# KiCad board 2000ATX.kicad_pcb (continued)
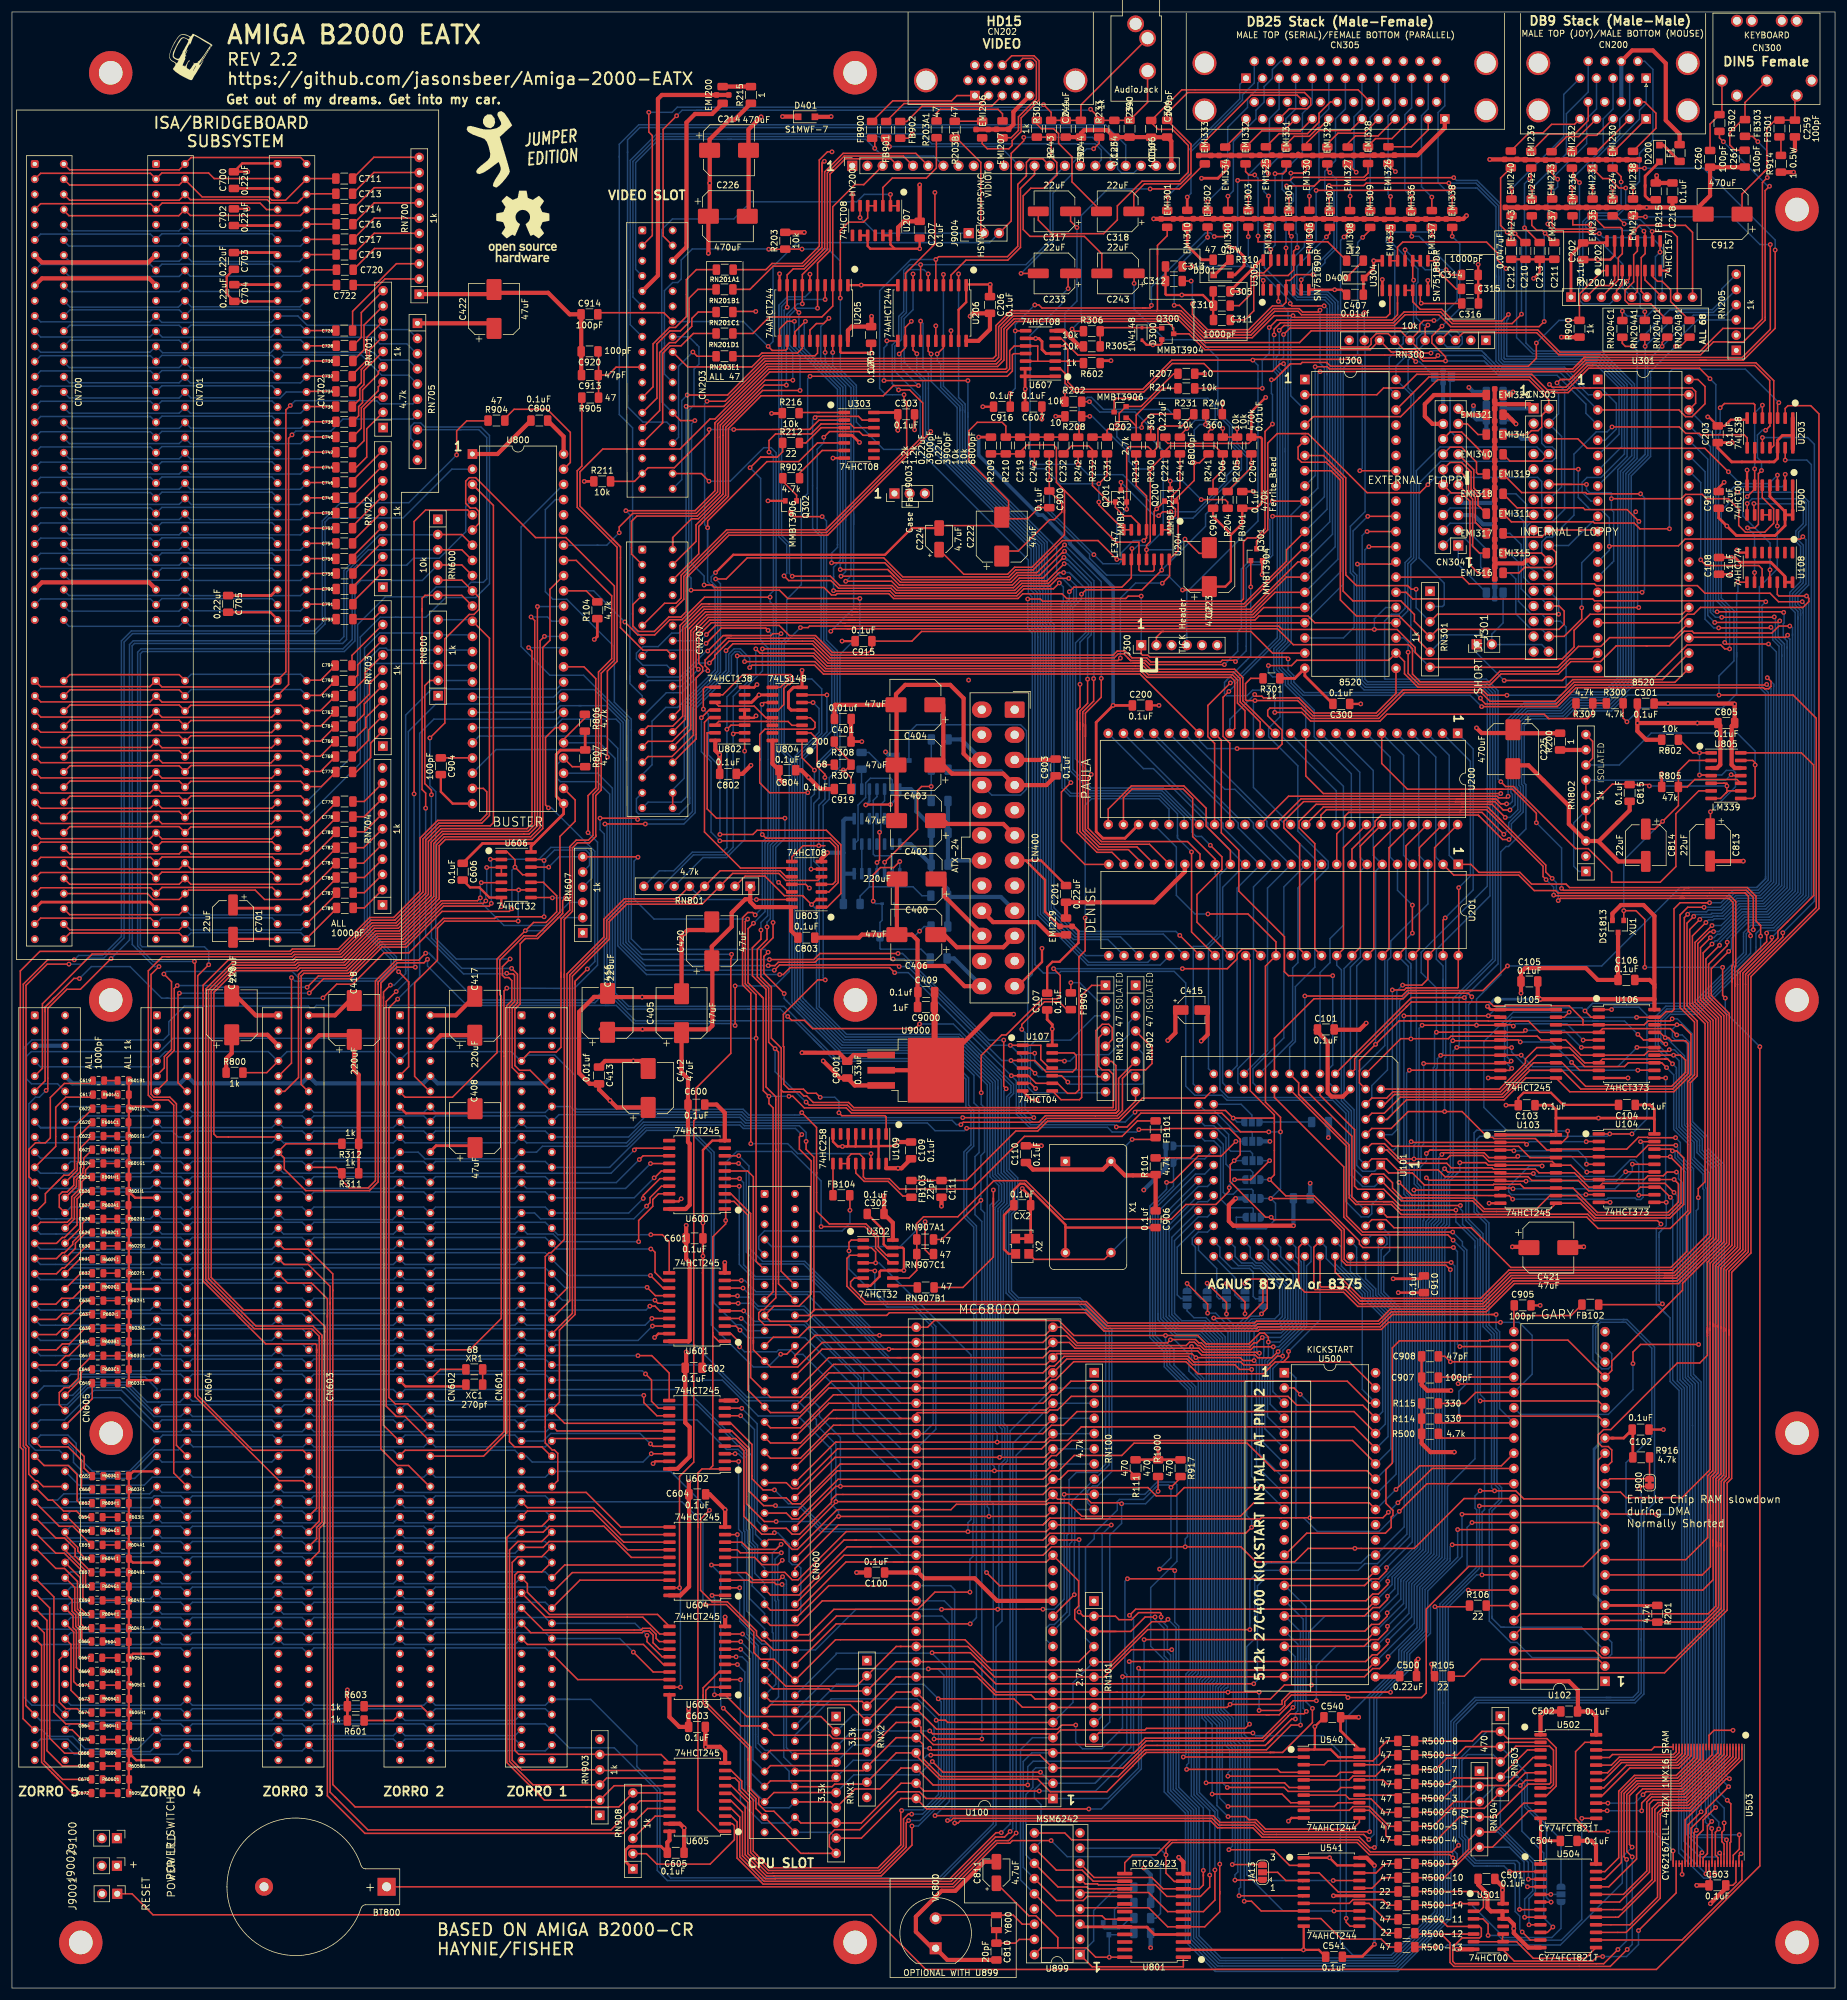
[diagram p0: board, top side]
## Routing (per net, layer and track width the routed paths; a pad name or vN(x,y) marks a point on that pad's centre or on a via; arc(x,y) is an arc through that point) (continued)
Net-(FB103-Pad2): length 11.7
  Top w0.25: 141.08,136.99 141.08,136.19 142.47,134.79 146.49,134.79 148.94,132.34 150.39,132.34
Net-(FB104-Pad1): length 4.5
  Top w0.25: FB104.1 137.27,132.48 137.27,136.99
Net-(FB301-Pad2): length 3.2
  Top w0.25: FB301.2 295.76,309.07 R914.2
Net-(FB303-Pad2): length 118.8
  Top w0.25: v1(293.47,302.53) 292.66,301.72 292.66,278.89 291.09,277.32 286.06,277.32 282.11,273.37 258.79,273.37 255.1,277.06 240.54,277.06 RN300.4 ; 289.7,309.36 FB303.2 291.01,309.41 v1(291.89,308.53)
  Bottom w0.25: v1(291.89,308.53) 293.47,306.95 v1(293.47,302.53) ; RN300.4 239.94,274.21 241.89,274.21 242.48,274.8 242.48,275.88 241.44,276.91 233.64,276.91 232.61,275.88 232.61,274.8 230.27,272.46 230.27,267.37 U300.39
Net-(FB907-Pad2): length 8.7
  Top w0.25: FB907.2 v1(177.04,168)
  Bottom w0.25: RN102.2 181.51,165 178.51,168 v1(177.04,168)
Net-(J102-Pad2): length 14.3
  Top w0.25: U101.41 197.04,138.72 R101.2 193.33,138.72
  Bottom w0.25: U101.41 197.71,140.72 J102.2
Net-(J301-Pad1): length 98.2
  Top w0.25: v1(285.6,264.06) 286.31,264.77 291.19,264.77 291.39,264.57 291.39,262.06 ; v1(287.17,223.77) 286.35,223.77 285.69,224.43 280.07,224.43 274.73,219.09 259.8,219.09 259.2,218.49 v1(249.48,218.49)
  Bottom w0.25: v1(249.48,218.49) 244.88,223.09 J301.1 ; v1(287.17,223.77) 287.17,230.25 285.32,232.1 285.32,259.62 285.6,259.89 v1(285.6,264.06)
Net-(J900-Pad2): length 11.4
  Top w0.25: R916.1 273.79,88.67 J900.2 267.17,85.11 U102.14
Net-(J9004-Pad1): length 21.2
  Top w0.25: U207.6 v1(141.8,295.85)
  Bottom w0.25: v1(141.8,295.85) 144.4,293.24 J9004.1
Net-(J9004-Pad2): length 18.1
  Top w0.25: R203B1.2 157.9,309.14 161.98,305.06 161.98,293.76 J9004.2
Net-(JA1-Pad2): length 8.3
  Bottom w0.25: U101.36 205.5,147.68 207.3,145.88 JA1.2
Net-(JA1-Pad3): length 8.7
  Bottom w0.25: JA1.3 217.28,144.72 R109.2
Net-(JA2-Pad2): length 12.5
  Top w0.25: U101.35 198.37,147.62
  Bottom w0.25: U101.35 199.41,146.64 200.94,146.64 204.45,143.13 207.17,143.13 207.37,142.94 JA2.2
Net-(JA3-Pad2): length 11.5
  Bottom w0.25: JA3.2 207.41,139.44 207.02,139.82 203.77,139.82 203.42,140.17 203.42,142.63 U101.38
Net-(JA4-Pad2): length 16.5
  Bottom w0.25: U101.37 199.41,144.1 200.94,144.1 202.97,142.08 202.97,137.68 203.94,136.71 207.05,136.71 207.46,136.3 JA4.2
Net-(JA5-Pad2): length 17.2
  Bottom w0.25: 207.49,131.92 207.49,133.27 207.26,133.49 205.03,133.49 204.19,132.65 202.82,132.65 202.52,132.95 202.52,140.99 U101.40
Net-(JA6-Pad2): length 20.7
  Bottom w0.25: JA6.2 207.53,130.23 207.38,130.38 203.53,130.38 202.07,131.84 202.07,140.44 200.94,141.56 199.41,141.56 U101.39
Net-(JA8-Pad2): length 15.5
  Bottom w0.25: U101.55 201.95,123.78 201.95,122.25 203.94,120.26 206.89,120.26 207.52,119.63 207.52,115.57 207.92,115.17 JA8.2
Net-(JA9-Pad2): length 10.2
  Bottom w0.25: JA9.2 205.13,115.17 204.47,115.82 204.47,118.72 U101.54 ; 206.17,115.17 206.37,115.37
Net-(JA10-Pad2): length 12.6
  Bottom w0.25: JA10.2 201.81,115.18 201.42,115.57 201.42,120.23 198.37,123.28 U101.53 ; 203.16,115.17 203.39,115.4
Net-(JA11-Pad2): length 16.8
  Bottom w0.25: U101.52 199.88,126.32 198.34,126.32 197.34,125.31 197.34,124.32 197.87,123.79 197.87,116.08 198.77,115.18 JA11.2 ; 199.89,115.18 200.28,115.58
Net-(JA12-Pad2): length 15.5
  Bottom w0.25: 196.69,115.18 197.11,115.6 ; JA12.2 195.42,115.22 194.82,115.82 194.82,123.8 U101.51
Net-(JA13-Pad2): length 7.9
  Top w0.25: 215.8,17.78 U541.4 ; U541.4 212.99,17.96 211.61,19.33 JA13.2 ; U541.4 215.86,18.07
Net-(Q200-Pad3): length 13.4
  Top w0.25: v1(198.83,248.72) 202.84,248.72 203.25,248.31 R204.2 ; Q200.3 v1(193.65,251.82)
  Bottom w0.25: v1(198.83,248.72) 195.73,251.82 v1(193.65,251.82)
Net-(Q201-Pad3): length 30.2
  Top w0.25: v1(193.75,246.68) 192.38,246.68 v1(191.72,246.02) ; Q201.3 v1(185.42,251.61) ; R205.2 v1(204.83,254.46)
  Bottom w0.25: 189.84,247.19 190.75,246.28 ; 189.84,247.19 v1(185.42,251.61) ; 189.84,247.19 191.01,246.02 v1(191.72,246.02) ; v1(193.75,246.68) 197.87,246.68 203.07,251.89 203.07,252.7 v1(204.83,254.46)
Net-(Q202-Pad1): length 14.4
  Top w0.25: R213.2 187.96,261.01 ; 187.96,261.01 187.96,262.84 192.43,267.31 R214.2 ; 187.96,261.01 186.62,262.35
Net-(Q301-Pad1): length 95.7
  Top w0.25: 207.11,238.43 v1(207.11,234.13) ; v1(211.12,213.16) 215.67,213.16 217.12,211.71 228.72,211.71 229.87,212.85 256.18,212.85 256.74,212.29 ; 256.74,212.29 256.9,212.13 263.43,212.13 264.29,212.98 R309.1 R300.1 ; 256.74,212.29 256.85,212.18
  Bottom w0.25: 210.4,216.83 210.57,216.66 ; 210.57,216.66 211.12,216.1 v1(211.12,213.16) ; 210.57,216.66 210.35,216.88 207.42,216.88 206.48,215.94 203.11,215.94 202.73,216.31 202.73,218.18 203.22,218.67 ; 203.22,218.67 202.98,218.43 ; 203.22,218.67 207.11,222.56 v1(207.11,234.13)
Net-(Q302-Pad1): length 5.3
  Top w0.25: Q302.1 131.18,249.46 128.87,251.77 R902.1 ; 129.25,251.97 128.87,252.35
Net-(Q302-Pad3): length 50.7
  Top w0.25: v1(135.46,245.87) 130.75,245.87 130.2,246.42 ; R307.2 v1(135.69,204.42)
  Bottom w0.25: v1(135.69,204.42) 135.69,205.11 137.97,207.39 137.97,223.49 136.18,225.28 136.18,245.15 v1(135.46,245.87)
Net-(Q9100-Pad1): length 6.9
  Bottom w0.25: Q9100.1 145.56,204.17 143.26,206.46 R9104.1
Net-(R105-Pad2): length 27.7
  Top w0.25: U102.2 265.22,54.92 245.63,54.92 242.8,52.1 R105.2 240.93,52.38
Net-(R106-Pad2): length 4.6
  Top w0.25: U102.43 251.05,63.91 R106.2
Net-(R202-Pad2): length 112.5
  Top w0.25: R230.2 v1(190.4,260.71) ; v1(176.78,233.32) 177.55,234.09 185.57,234.09 187.15,235.66 U204.9 187.25,238.83 v1(187.25,240.54) ; R202.2 v1(180.14,265.07)
  Bottom w0.25: U200.30 195.99,195.74 192.09,199.63 177.08,199.63 176.02,200.69 176.02,231.23 176.43,231.64 ; 176.64,231.85 176.78,231.99 ; 176.64,231.85 176.43,231.64 ; 176.64,231.85 176.64,231.86 ; 176.78,231.99 v1(176.78,233.32) ; 176.78,231.99 176.43,231.64 ; v1(180.14,265.07) 181.86,263.35 187.76,263.35 v1(190.4,260.71) 190.4,258.98 192.47,256.9 192.47,243.5 190.04,241.06 188.23,241.06 187.71,240.54 v1(187.25,240.54)
Net-(R203A1-Pad2): length 18.6
  Top w0.25: U207.3 145.61,300.86 147.19,302.45 152.88,302.45 154.55,304.12 154.55,309.16 R203A1.2 154.58,308.98
Net-(R212-Pad2): length 8.6
  Top w0.25: R212.2 132.74,258.19 135.28,260.73 U303.3
Net-(R216-Pad2): length 8
  Top w0.25: 134.98,263.27 U303.1 ; 134.98,263.27 134.57,263.27 ; 134.98,263.27 131.7,263.27 R216.2
Net-(R240-Pad2): length 109.5
  Top w0.25: U204.13 v1(192.23,236.93) 188.93,233.64 179.53,233.64 v1(178.82,232.92) ; R240.2 202.36,264.89
  Bottom w0.25: 178.58,231.88 178.82,232.12 v1(178.82,232.92) ; 178.58,231.88 177.37,230.67 177.37,203.61 180.45,200.53 192.46,200.53 198.53,194.47 U200.31 ; 178.58,231.88 178.71,232.02 ; v1(202.34,264.92) 202.34,262.79 204.01,261.11 204.01,258.24 206.49,255.76 206.49,253.2 199.56,246.26 199.56,244.26 v1(192.23,236.93)
Net-(R300-Pad2): length 44.6
  Top w0.25: U108.8 v1(288.56,234.91) ; R300.2 269.37,212.21 v1(270,211.58)
  Bottom w0.25: 288.35,222.4 288.35,223.11 ; 288.35,223.11 288.35,216.29 285.96,213.9 272.32,213.9 v1(270,211.58) ; 288.35,223.11 288.35,233.13 288.56,233.34 v1(288.56,234.91)
Net-(R309-Pad2): length 290.8
  Top w0.25: 287.06,109.13 287.06,85.34 286.21,84.49 286.21,73.14 ; 287.06,109.13 287.06,119.79 290.29,123.02 290.29,169.21 301.66,180.58 301.66,212.18 297.79,216.05 v1(285.39,216.05) ; 287.06,109.13 287.06,109.98 ; v1(296.47,252.93) 296.44,252.91 U900.2 ; 286.21,73.14 286.21,73.97 ; 286.21,73.14 286.21,63.25 284.59,61.63 284.59,61.61 278.2,55.21 265.8,55.21 264.68,56.34 U102.46 ; R309.2 261.37,214.56 v1(261.37,212.85)
  Bottom w0.25: v1(261.37,212.85) 261.92,213.41 267.45,213.41 270.09,216.05 v1(285.39,216.05) 285.39,219.25 287.9,221.76 287.9,230.16 285.77,232.29 285.77,246.86 286.98,248.07 286.98,249.95 287.91,250.88 295.96,250.88 296.47,251.38 v1(296.47,252.93)
Net-(R500-1-Pad2): length 7.1
  Top w0.25: R500-1.2 230.22,38.91 228.62,37.31 U540.18
Net-(R500-2-Pad2): length 6.8
  Top w0.25: U540.16 229.22,34.77 229.9,34.1 R500-2.2
Net-(R500-3-Pad2): length 6.7
  Top w0.25: U540.14 231.22,32.23 R500-3.2
Net-(R500-4-Pad2): length 9.4
  Top w0.25: U540.12 226.95,29.69 229.7,26.94 229.7,25.46 230.46,24.7 R500-4.2
Net-(R500-5-Pad2): length 17.4
  Top w0.25: R500-5.2 230.26,27.02 226.96,30.32 224.2,30.32 223.58,29.69 U540.9
Net-(R500-6-Pad2): length 17
  Top w0.25: U540.7 222.96,32.23 223.59,31.61 227.23,31.61 229.49,29.35 R500-6.2
Net-(R500-7-Pad2): length 16.5
  Top w0.25: R500-7.2 229.04,36.5 227.95,35.42 224.2,35.42 223.56,34.77 U540.5
Net-(R500-8-Pad2): length 17.9
  Top w0.25: U540.3 219.4,37.31 220.04,37.96 227.53,37.96 228.66,39.09 228.66,40.06 229.89,41.29 R500-8.2
Net-(R500-9-Pad2): length 7.1
  Top w0.25: R500-9.2 229.6,20.77 228.06,19.23 U541.18
Net-(R500-10-Pad2): length 7.2
  Top w0.25: R500-10.2 229.14,18.44 227.4,16.69 U541.16
Net-(R500-11-Pad2): length 7.8
  Top w0.25: U541.14 226.88,14.15 229.54,11.49 R500-11.2 ; 231.6,11.61 231.75,11.47
Net-(R500-12-Pad2): length 7.5
  Top w0.25: R500-12.2 229.8,9.16 227.36,11.61 U541.12
Net-(R500-13-Pad2): length 17.7
  Top w0.25: R500-13.2 230.27,6.84 228.93,8.18 222.28,8.18 218.85,11.61 U541.9
Net-(R500-14-Pad2): length 16.4
  Top w0.25: U541.7 223.58,14.15 224.2,14.77 229.17,14.77 230.11,13.83 R500-14.2
Net-(R500-15-Pad2): length 17.1
  Top w0.25: U541.3 218.57,19.23 221.73,16.06 231.68,16.06 R500-15.2
Net-(R902-Pad2): length 9.9
  Top w0.25: R902.2 131.67,253.13 135.46,256.92 U303.6
Net-(R904-Pad2): length 20.1
  Top w0.25: U800.47 93.35,254.92 93.35,259.95 89.5,263.8 83.95,263.8 82.4,262.26 R904.2
Net-(R905-Pad2): length 88.7
  Top w0.25: 95.4,265.63 R905.2 95.27,254.3 94.51,253.54 94.51,247.42 101.17,240.76 101.17,221.69 99.55,220.07 v1(99.55,205.69)
  Bottom w0.25: U800.22 80.94,206.95 98.29,206.95 v1(99.55,205.69)
Net-(R9104-Pad2): length 4
  Bottom w0.25: 142.04,200.34 142.04,203.66 R9104.2 142.55,204.17
Net-(RN100-Pad8): length 254.7
  Top w0.25: 144.05,259.41 U303.11 142.28,259.46 141.65,260.09 136.68,260.09 v1(135.73,259.13)
  Bottom w0.25: v1(135.73,259.13) 135.73,258.24 134.62,257.13 134.62,243.78 135.73,242.67 135.73,225.1 137.52,223.31 137.52,207.58 134.96,205.02 134.96,198.87 134.05,197.96 134.05,188.29 134.96,187.38 134.96,163.95 139.55,159.36 158.45,159.36 161.69,156.12 161.71,156.12 167.01,150.81 167.01,149.66 166.3,148.95 166.3,136.6 167.7,135.2 167.7,130.54 166.65,129.5 166.65,116.35 168.1,114.9 178.34,114.9 183.44,109.81 183.44,87.43 181.05,85.04 RN100.8 177.18,81.27 177.18,74.57 176.82,74.2 176.82,62.39 U100.12
Net-(RN102-Pad1): length 27.4
  Top w0.25: RN102.1 180.52,167.54 178.84,165.86 178.84,148.82 178.46,148.44 175.4,148.44 173.92,149.91
Net-(RN102-Pad3): length 24.7
  Top w0.25: U107.6 170.28,151.18 v1(171.15,150.32)
  Bottom w0.25: RN102.3 181.05,162.46 176.99,158.39 171.17,158.39 170.27,157.49 170.27,151.19 v1(171.15,150.32)
Net-(RN102-Pad5): length 30.4
  Top w0.25: U107.4 170.18,153.72 v1(171.04,152.86) ; RN102.5 183.95,158.5 183.95,160.46 183.37,161.04 182.29,161.04 181.25,160.01 181.25,152.74 181.7,152.3 RN102.7
  Bottom w0.25: RN102.7 171.6,152.3 v1(171.04,152.86)
Net-(RN203E1-Pad2): length 13.4
  Top w0.25: RN203E1.2 124.84,272.67 125.38,273.2 131.32,273.2 132.14,274.03 132.14,275.26
Net-(RN204A1-Pad1): length 10
  Top w0.25: RN204A1.1 v1(273,280.11) ; 270.31,286.81 U202.4 270.41,286.91 270.41,285.6 v1(270,285.19)
  Bottom w0.25: v1(270,285.19) 272.23,282.96 272.23,280.88 v1(273,280.11)
Net-(RN204B1-Pad1): length 11.3
  Top w0.25: U202.7 274.29,286.01 275.11,285.19 275.89,285.19 277.31,283.78 277.31,281.82 RN204B1.1
Net-(RN204C1-Pad1): length 19.5
  Top w0.25: RN204C1.1 v1(269.24,280.21) ; v1(275.54,290.07) 275.54,291.91 U202.9
  Bottom w0.25: v1(269.24,280.21) 270.07,279.39 273.35,279.39 274.77,280.81 274.77,289.3 v1(275.54,290.07)
Net-(RN204D1-Pad1): length 19.2
  Top w0.25: U202.12 271.75,290.25 271.13,289.62 271.13,285.1 269.69,283.66 269.69,282.01 270.27,281.42 274,281.42 RN204D1.1
Net-(RN802-Pad6): length 28.9
  Top w0.25: v1(287.43,202.74) 287.58,202.59 U805.11 ; RN802.6 RN802.7
  Bottom w0.25: v1(287.43,202.74) 286.51,201.83 RN802.7
Net-(RN802-Pad10): length 50.8
  Top w0.25: U805.13 291.03,205.13 291.44,204.72 291.44,199.19 291.03,198.78 U805.8 ; RN802.10 264.27,208.32 264.27,205.49 RN802.8
  Bottom w0.25: v1(291.44,204.37) 291.44,206.71 288.44,209.7 274.07,209.7 268.73,204.37 RN802.8
Net-(RN902-Pad3): length 18.3
  Top w0.25: 173.92,154.99 175.87,154.99 v1(175.97,154.89)
  Bottom w0.25: v1(175.97,154.89) 176.89,154.89 177.96,155.96 183.37,155.96 186.73,159.33 186.73,161.33 RN902.3
Net-(RN902-Pad5): length 22.5
  Top w0.25: v1(176.53,151.38) 175.46,152.45 173.92,152.45
  Bottom w0.25: v1(176.53,151.38) 176.89,151.03 188.93,151.03 189.13,151.23 189.13,156.11 RN902.5
Net-(RN902-Pad7): length 21.4
  Top w0.25: U107.2 169.03,156.21 v1(170.99,156.21)
  Bottom w0.25: RN902.7 186.73,153.42 172.26,153.42 170.99,154.69 v1(170.99,156.21)
Net-(RN907B1-Pad2): length 4.2
  Top w0.25: RN907B1.2 151.08,117.36 U302.8
Net-(RN908-Pad2): length 23.4
  Top w0.25: U605.2 120.44,27.46 120.78,27.11 120.78,24.77 116.71,20.7 107.82,20.7 106.07,22.45 RN908.2
Net-(RN908-Pad3): length 7.7
  Top w0.25: RN908.3 107.54,28.73 U605.18
Net-(U102-Pad15): length 203.2
  Top w0.25: 283.46,110.46 283.46,108.97 ; 283.46,108.97 283.46,109.32 ; 283.46,108.97 283.46,105.73 282.18,104.44 278.43,104.44 267.3,93.31 266.09,93.31 265.22,92.44 265.22,91.09 265.83,90.48 266.9,90.48 267.47,89.91 267.47,87.94 U102.15 ; 283.46,109.32 283.46,121.28 286.66,124.48 286.66,162.67 283.66,165.68 283.66,171.08 286.77,174.19 v1(286.77,174.75) ; 283.46,109.32 283.46,110.08 ; U900.8 290.12,246.19 v1(290.12,248.06)
  Bottom w0.25: v1(286.77,174.75) 286.77,175.32 289.95,178.5 291.53,178.5 ; 290.37,178.5 291.53,178.5 ; 291.53,178.5 293.98,178.5 298.59,183.11 298.59,228.74 ; 298.59,229.02 298.59,229.21 ; 298.59,229.02 298.59,228.74 ; 298.59,229.02 298.59,228.96 ; v1(290.12,248.06) 290.93,248.87 299.26,248.87 299.94,248.19 299.94,244.51 298.69,243.27 298.69,241.89 299.49,241.1 299.49,234.82 297.69,233.02 297.69,230.93 298.59,230.03 298.59,228.74
Net-(U102-Pad44): length 240
  Top w0.25: 285.71,110.27 285.71,120.35 288.94,123.58 288.94,168.56 288.94,169.77 294.23,175.06 v1(294.23,175.57) ; 285.71,110.27 285.71,110.54 ; 285.71,110.27 285.71,85.9 284.86,85.05 284.86,73.59 ; 284.86,73.59 284.86,63.81 283.59,62.54 252.23,62.54 U102.44 ; 284.86,73.59 284.86,74.7 ; 296.47,257.11 v1(296.47,255.32)
  Bottom w0.25: v1(294.23,175.57) 300.84,182.18 300.84,254.57 300.08,255.32 v1(296.47,255.32)
Net-(U102-Pad45): length 249.4
  Top w0.25: 285.76,73.88 285.76,84.68 286.61,85.53 286.61,109.83 ; 285.76,73.88 285.76,63.44 282.33,60 252.23,60 U102.45 ; 285.76,73.88 285.76,74.29 ; v1(296.06,176.33) 296.06,175.62 289.84,169.4 289.84,167.71 289.84,123.21 286.61,119.98 286.61,109.83 ; 286.61,109.83 286.61,110.17 ; v1(292.66,259.08) 292.66,257.11
  Bottom w0.25: v1(296.06,176.33) 301.35,181.61 301.35,257.96 300.23,259.08 v1(292.66,259.08)
Net-(U102-Pad47): length 254.7
  Top w0.25: U203.2 296.46,263.95 296.93,264.41 300.74,264.41 302.11,263.04 302.11,180.39 290.74,169.03 290.74,122.83 287.51,119.6 287.51,85.15 286.77,84.41 286.77,63.14 276.29,52.67 252.23,52.67 U102.47
Net-(U108-Pad11): length 35
  Top w0.25: v1(293.93,236.98) 293.88,236.93 U108.11 ; v1(291.36,253.85) U900.6 291.36,250.47 v1(290.12,249.22) ; U203.5 v1(292.65,264.5)
  Bottom w0.25: v1(290.12,249.22) 289.39,248.5 289.39,245.99 293.93,241.45 v1(293.93,236.98) ; v1(291.36,253.85) 291.36,263.2 v1(292.65,264.5)
Net-(U201-Pad18): length 174.9
  Top w0.25: v1(175.82,236.52) 175.1,236.52 173.29,234.71 168.81,234.71 167.64,233.54 147.96,233.54 147.15,234.35 138.39,234.35 136.83,235.92 v1(130.45,235.92) ; U201.18 198.63,189.49 196.54,191.58 182.14,191.58 179.92,193.8 179.92,202.27 v1(180.44,202.79) ; U205.4 v1(135.95,282.16)
  Bottom w0.25: v1(135.95,282.16) 129.83,282.16 128.66,280.99 128.66,242.71 129.98,241.39 129.98,236.39 v1(130.45,235.92) ; v1(180.44,202.79) 177.82,205.42 177.82,224.77 179.54,226.5 179.54,233.77 176.79,236.52 ; 176.79,236.52 v1(175.82,236.52) ; 176.79,236.52 178.41,234.91
Net-(U201-Pad20): length 161.2
  Top w0.25: U205.11 128.33,277.24 129.6,278.51 v1(130.81,278.51) ; U201.20 190.18,191.13 181.95,191.13 179.47,193.61 179.47,209.15 ; v1(137.03,238.15) 145.95,238.15 148.75,235.34 166.84,235.34 168.01,236.51 171.34,236.51 v1(175.98,241.15) ; 179.47,209.15 179.47,213.04 182.12,215.69 v1(182.12,218.85) ; 179.47,209.15 179.47,211.11
  Bottom w0.25: v1(130.81,278.51) 130.81,274.34 138.02,267.13 138.02,266.73 138.02,245.67 ; 138.02,241.2 138.02,240.74 137.03,239.75 v1(137.03,238.15) ; 138.02,241.2 138.02,245.67 ; 138.02,241.2 138.02,241.12 ; 138.02,245.67 138.02,245.47 ; v1(175.98,241.15) 182.12,235.01 v1(182.12,218.85)
Net-(U201-Pad21): length 157.4
  Top w0.25: 147.51,235.95 148.56,234.9 148.56,234.89 167.02,234.89 168.19,236.06 171.8,236.06 175.53,239.79 175.78,239.79 175.97,239.98 v1(175.97,240.08) ; 147.51,235.95 146.43,237.03 v1(138.48,237.03) ; 147.51,235.95 146.61,236.86 ; 179.02,210.87 179.02,213.22 180.85,215.05 v1(180.85,218.8) ; 179.02,210.87 179.02,193.43 181.77,190.68 188.09,190.68 U201.21 ; 179.02,210.87 179.02,211.3 ; v1(132.65,278.51) 130.87,276.73 U205.13 130.87,276.68
  Bottom w0.25: v1(132.65,278.51) 132.46,278.32 132.46,273.97 138.92,267.5 138.92,245.45 ; v1(180.85,218.8) 180.89,218.84 180.89,235.16 v1(175.97,240.08) 176.83,239.22 ; 138.92,245.45 138.92,238.34 138.48,237.9 v1(138.48,237.03) ; 138.92,245.45 138.92,245.26
Net-(U201-Pad22): length 159.6
  Top w0.25: v1(138.61,235.92) 146.9,235.92 148.37,234.44 167.26,234.44 168.43,235.61 172.36,235.61 175.57,238.82 175.83,238.82 175.87,238.86 v1(175.87,239.06) ; v1(179.83,218.72) 179.83,214.67 178.55,213.39 178.55,210.3 ; 178.55,210.3 178.55,211.46 ; 178.55,210.3 178.55,193.26 181.58,190.23 186.66,190.23 188.47,188.42 U201.22 ; U205.15 133.41,277.05 134.49,278.13 135.7,278.13 v1(136.59,279.02)
  Bottom w0.25: v1(138.61,235.92) 139.37,236.68 139.37,245.65 ; v1(179.83,218.72) 179.83,225.52 180.44,226.13 180.44,234.78 176.65,238.58 176.36,238.58 v1(175.87,239.06) 176.16,239.06 179.76,235.47 ; 139.37,245.65 139.37,245.21 ; 139.37,245.65 139.37,267.69 135.23,271.84 135.23,277.66 v1(136.59,279.02)
Net-(U201-Pad23): length 140.8
  Top w0.25: U201.23 183.91,189.78 181.4,189.78 178.1,193.07 178.1,210.27 ; v1(139.4,235.08) 147.07,235.08 148.15,233.99 167.44,233.99 168.61,235.16 172.98,235.16 ; v1(175.92,238) 173.08,235.16 172.25,235.16 ; U205.17 v1(135.95,273.3) ; 178.1,210.27 178.1,213.57 178.56,214.04 v1(178.56,217.86) ; 178.1,210.27 178.1,211.65
  Bottom w0.25: v1(175.92,238) 176.49,238 179.99,234.49 179.99,226.31 178.56,224.88 v1(178.56,217.86) ; v1(135.95,273.3) 135.95,271.75 140.27,267.43 140.27,235.95 v1(139.4,235.08)
Net-(U201-Pad24): length 118.8
  Top w0.25: v1(159.82,268.6) v1(145.79,268.6) ; U206.11 v1(146.27,275.24) ; v1(177.04,201.42) 175.46,199.85 175.46,191.67 179.37,187.76 U201.24
  Bottom w0.25: v1(177.04,201.42) 176.47,201.99 176.47,229.07 ; 159.82,262.54 159.82,255.48 174.67,240.64 174.67,236.52 177.51,233.67 177.51,232.08 176.47,231.04 176.47,229.07 ; 159.82,262.54 159.82,263.25 ; 159.82,262.54 v1(159.82,268.6) ; v1(145.79,268.6) 145.79,274.06 146.27,274.54 v1(146.27,275.24) ; 176.47,229.07 176.47,229.36
Net-(U201-Pad25): length 118.7
  Top w0.25: 151.38,272.99 v1(151.29,273.08) 150.65,273.72 U206.13
  Bottom w0.25: U201.25 179.53,172.52 172.42,179.63 172.42,227.13 171.9,227.65 171.9,233.36 171.28,233.99 171.28,240.84 152.74,259.38 152.74,268.76 151.29,270.21 v1(151.29,273.08)
Net-(U201-Pad26): length 120.5
  Top w0.25: U206.15 153.19,273.52 v1(153.67,273.05)
  Bottom w0.25: 158.02,254.73 158.02,264.11 153.67,268.46 v1(153.67,273.05) ; 158.02,254.73 171.73,241.03 171.73,234.17 172.35,233.55 172.35,227.83 172.87,227.32 172.87,179.82 177.47,175.21 183.24,175.21 U201.26 ; 158.02,254.73 158.6,254.15
Net-(U201-Pad27): length 122.7
  Top w0.25: v1(154.69,273.05) 155.73,274.09 U206.17
  Bottom w0.25: 173.32,226.73 173.32,227.51 ; 173.32,226.73 173.32,227.51 ; 173.32,226.73 173.32,180.1 177.76,175.66 185.33,175.66 U201.27 ; 173.32,227.51 172.8,228.02 172.8,233.73 172.18,234.36 172.18,241.22 158.47,254.92 158.47,263.58 ; 158.47,263.58 158.47,263.96 ; 158.47,263.58 158.47,264.3 155.28,267.49 155.28,271.38 154.69,271.97 v1(154.69,273.05)
Net-(U201-Pad28): length 141.8
  Top w0.25: U206.8 v1(150.65,286.42)
  Bottom w0.25: U201.28 189.88,171.39 180.02,171.39 171.96,179.45 171.96,226.57 171.94,226.58 171.94,226.97 171.45,227.46 171.45,233.18 170.83,233.8 170.83,240.66 152.29,259.19 152.29,268.57 149.16,271.7 149.16,278.96 150.65,280.44 v1(150.65,286.42)
Net-(U201-Pad29): length 150.4
  Top w0.25: U206.6 v1(153.19,286.42)
  Bottom w0.25: U201.29 191.97,170.94 179.83,170.94 171.51,179.26 171.51,225.75 171.49,225.76 171.49,226.78 171,227.28 171,232.99 170.38,233.61 170.38,240.47 151.84,259.01 151.84,265.93 147.61,270.16 147.61,274.36 148.71,275.46 148.71,279.14 149.54,279.97 149.54,286.83 149.86,287.15 152.46,287.15 v1(153.19,286.42)
Net-(U201-Pad30): length 141.1
  Top w0.25: 155.73,286.41 v1(155.73,286.35) U206.4
  Bottom w0.25: 158.92,263.62 158.92,263.8 ; 158.92,263.62 158.92,255.1 172.63,241.4 172.63,234.54 173.25,233.92 173.25,228.21 173.77,227.69 173.77,180.31 177.97,176.11 192.5,176.11 U201.30 ; 158.92,263.62 158.92,264.48 155.73,267.68 v1(155.73,286.35)
Net-(U201-Pad31): length 142.5
  Top w0.25: 195.22,175.92 v1(195.25,175.9) U201.31 ; U206.2 v1(158.27,286.42)
  Bottom w0.25: v1(158.27,286.42) 158.27,265.78 159.37,264.67 159.37,263.33 ; v1(195.25,175.9) 194.59,176.56 178.15,176.56 174.22,180.5 174.22,227.88 173.7,228.39 173.7,234.11 173.08,234.73 173.08,241.59 159.37,255.29 159.37,263.33 ; 159.37,263.33 159.37,263.65
Net-(U201-Pad33): length 194.5
  Top w0.25: v1(176.68,235.56) 174.8,235.56 173.5,234.26 169,234.26 167.83,233.09 148.41,233.09 147.78,233.09 146.97,233.9 138.21,233.9 136.92,235.19 129.86,235.19 v1(129.08,235.97) ; v1(200.36,190.96) 202.29,189.02 202.29,186.9 198.12,182.73 198.12,178.1 U201.33 ; v1(133.41,286.38) U205.6
  Bottom w0.25: 128.21,281.18 129.64,282.61 132.62,282.61 133.41,283.4 v1(133.41,286.38) ; 128.21,281.18 128.21,279.52 ; 128.21,281.18 128.21,279.52 ; v1(176.68,235.56) 177.96,234.28 177.96,231.9 176.92,230.85 176.92,203.42 180.26,200.08 192.28,200.08 197.26,195.1 197.26,193.14 197.97,192.43 198.88,192.43 v1(200.36,190.96) ; 128.21,279.52 128.21,242.52 ; 128.21,242.53 129.53,241.2 129.53,236.42 v1(129.08,235.97)
Net-(U300-Pad23): length 353.2
  Top w0.25: 273.35,224.28 268.22,224.28 265.59,221.65 260.64,221.65 258.57,219.58 248.95,219.58 247.18,217.82 235.26,217.82 233.43,219.65 v1(233.43,223.22) ; 273.35,224.28 273.2,224.28 ; 273.35,224.28 277.14,224.28 279.59,226.73 280.91,226.73 281.22,226.42 294.23,226.42 295.4,227.58 v1(297.23,227.58) ; v1(284.23,174.45) 282.75,172.97 282.75,165.31 285.76,162.3 285.76,124.85 278.62,117.71 251.2,117.71 246.49,113 230.62,113 228.62,111 208.27,111 207.93,110.67 183.02,110.67 179.44,114.25 142.61,114.25 139.6,117.26 139.6,121.94 140.11,122.44 U302.3
  Bottom w0.25: v1(233.43,223.22) 233.43,224.84 232.66,225.6 U300.23 ; 291.01,179.4 289.51,179.4 285.12,175.01 284.78,175.01 v1(284.23,174.45) ; 291.01,179.4 293.6,179.4 297.69,183.48 297.69,226.06 ; 291.01,179.4 290,179.4 ; 297.69,226.06 297.69,226.28 ; 297.69,226.06 297.69,227.33 297.43,227.58 v1(297.23,227.58)
Net-(U301-Pad23): length 288.2
  Top w0.25: v1(283.97,175.51) 282.3,173.85 282.3,165.13 285.31,162.12 285.31,125.04 278.43,118.16 276.35,118.16 ; 141.35,118.63 U302.6 140.83,118.63 140.2,118.01 140.2,117.29 142.8,114.7 179.62,114.7 183.2,111.13 207.75,111.13 208.08,111.45 228.44,111.45 230.43,113.45 246.3,113.45 251.01,118.16 276.35,118.16 ; 276.35,118.16 278.08,118.16 ; U301.23 280.47,225.7 296.52,225.7 v1(296.88,226.06)
  Bottom w0.25: 290.08,179.85 289.32,179.85 285.56,176.08 285.1,176.08 284.54,175.51 v1(283.97,175.51) ; 290.08,179.85 293.42,179.85 297.24,183.67 297.24,225.39 ; 290.08,179.85 289.81,179.85 ; v1(296.88,226.06) 296.88,225.76 297.24,225.39 ; 297.24,225.39 296.98,225.65
Net-(U802-Pad9): length 61.8
  Top w0.25: v1(118.36,192.76) 123.88,192.76 124.58,193.46 136.16,193.46 138.59,191.03 138.59,182.9 136.32,180.62 U803.1 ; U802.9 115.9,217.37 115.6,217.07 v1(115.6,213.69)
  Bottom w0.25: 116.85,205.63 116.57,205.91 ; 116.85,205.63 116.43,206.04 116.43,212.85 v1(115.6,213.69) ; 116.85,205.63 118.36,204.11 v1(118.36,192.76)
Net-(U802-Pad10): length 22.3
  Top w0.25: U804.12 128.12,213.54 129.03,214.45 129.03,217.14 129.72,217.83 130.03,217.83 130.6,218.4 130.6,219.09 130.22,219.47 122.21,219.47 118.85,216.1 U802.10
Net-(U802-Pad11): length 10.7
  Top w0.25: U802.11 118.17,214.21 124.1,214.21 126.03,212.27 U804.13
Net-(U802-Pad12): length 52.7
  Top w0.25: v1(118.34,191.69) 136.65,191.69 137.69,190.65 137.69,184.91 137.21,184.43 U803.4 ; U802.12 116.56,213.56 v1(115.27,212.27)
  Bottom w0.25: v1(115.27,212.27) 115.27,206.58 116.88,204.96 116.88,193.16 v1(118.34,191.69)
Net-(U802-Pad13): length 37.6
  Top w0.25: U803.9 130.21,187.15 121.81,187.15 115.78,193.18 115.78,211.51 116.56,212.29 U802.13
Net-(U802-Pad14): length 15.7
  Top w0.25: 126.81,211.64 126.12,211.64 126.11,211.65 118.17,211.65 U802.14 ; 126.81,211.64 126.17,211.64 ; 126.81,211.64 129.76,211.64 130.4,211 U804.3
Net-(U802-Pad15): length 42.1
  Top w0.25: U802.15 116.26,209.75 116.23,209.73 116.23,197.03 117.78,195.48 v1(129.24,195.48) ; U803.12 129.77,183.16 v1(128.17,184.76)
  Bottom w0.25: v1(128.17,184.76) 127.7,185.23 127.7,190.6 129.24,192.14 v1(129.24,195.48)
Net-(U803-Pad3): length 46.9
  Top w0.25: 125.4,192.79 v1(125.45,192.74) 126.04,192.14 136.84,192.14 138.14,190.84 138.14,184.73 136.58,183.16 U803.3 ; v1(125.4,214.5) 125.7,214.81 U804.11
  Bottom w0.25: v1(125.4,214.5) 125.26,214.36 125.26,192.93 v1(125.45,192.74)
Net-(U803-Pad6): length 24.3
  Top w0.25: U804.1 132.09,205.58 v1(134.16,203.5) ; v1(133.6,186.97) U803.6
  Bottom w0.25: v1(133.6,186.97) 133.6,198.97 134.16,199.53 v1(134.16,203.5)
Net-(U803-Pad8): length 29
  Top w0.25: v1(135.92,202.29) 135.92,202.83 134.62,204.12 134.62,208.69 133.58,209.73 U804.2 ; 131.08,189.7 132.26,190.88 135.92,190.88 ; 131.08,189.7 130.39,189.02 U803.8 ; 131.08,189.7 131.19,189.81
  Bottom w0.25: v1(134.89,190.88) 134.89,197.64 135.92,198.66 v1(135.92,202.29)
Net-(U803-Pad11): length 49.5
  Top w0.25: 125.02,205.33 125.02,201.4 126.67,199.75 v1(133.05,199.75) ; 125.02,205.33 125.02,209.47 125.9,210.35 133.95,210.35 134.26,210.67 134.26,211.48 133.48,212.27 U804.4 ; 125.02,205.33 125.02,205.21 ; v1(133.32,183.79) 132.69,184.43 U803.11
  Bottom w0.25: v1(133.32,183.79) 132.66,184.46 132.66,199.36 v1(133.05,199.75)
Net-(U899-Pad16): length 17.7
  Top w0.25: U899.16 168.91,10.67 167.41,12.17 Y800.2 154.96,12.17 VC800.2 154.67,11.41
Net-(U900-Pad10): length 1.3
  Top w0.25: U900.10 U900.11
Net-(U9101-Pad2): length 17.3
  Bottom w0.25: U9102.11 144.62,199.08 144,198.46 144,189.47 144.27,189.2 147.03,189.2 147.16,189.07 U9101.2
Net-(U9101-Pad4): length 14.7
  Top w0.25: v1(144.62,188.07) 145.05,188.5 v1(145.05,193.13)
  Bottom w0.25: U9101.4 v1(144.62,188.07) ; v1(145.05,193.13) 145.27,193.34 145.27,197.76 145.89,198.39 U9102.12
Net-(U9101-Pad6): length 4.9
  Bottom w0.25: U9101.6 U9101.9
Net-(U9101-Pad8): length 17.4
  Bottom w0.25: U9101.8 141.46,191.8 141.46,197.68 142.73,198.95 142.73,201.36 143.51,202.14 146.91,202.14 147.16,201.89 U9102.13
Net-(XC1-Pad1): length 2.5
  Top w0.25: XR1.2 XC1.1

## Copper pours and planes (outline as drawn; the poured copper is in the pictures)
+5V on In2.Cu: 299.72,5.08 2.54,5.08 2.51,328.8 299.69,328.8
GND on In1.Cu: 304.29,329.69 304.29,0.51 0.51,0.51 0.41,329.74

## Text on the board
B.SilkS: 1 | 3
F.SilkS: ISOLATED | ALL / 1000pF | ALL 47 | OPTIONAL WITH U899 | 1000pF | 3 | 1 | ALL 1k | ALL 68 | Enable Chip RAM slowdown / during DMA / Normally Shorted | + | ZORRO 5 | ZORRO 4 | ZORRO 3 | Get out of my dreams. Get into my car. | ZORRO 2 | ZORRO 1 | VIDEO SLOT | CPU SLOT | VIDEO | HD15 | AGNUS 8372A or 8375 | DB25 Stack (Male-Female) | DB9 Stack (Male-Male) | DIN5 Female | 512k 27C400 KICKSTART INSTALL AT PIN 2 | JUMPER / EDITION | ISA/BRIDGEBOARD / SUBSYSTEM | REV 2.2 / https://github.com/jasonsbeer/Amiga-2000-EATX | BASED ON AMIGA B2000-CR / HAYNIE/FISHER | AMIGA B2000 EATX
